# Allegro board PSU-C1.brd (continued)
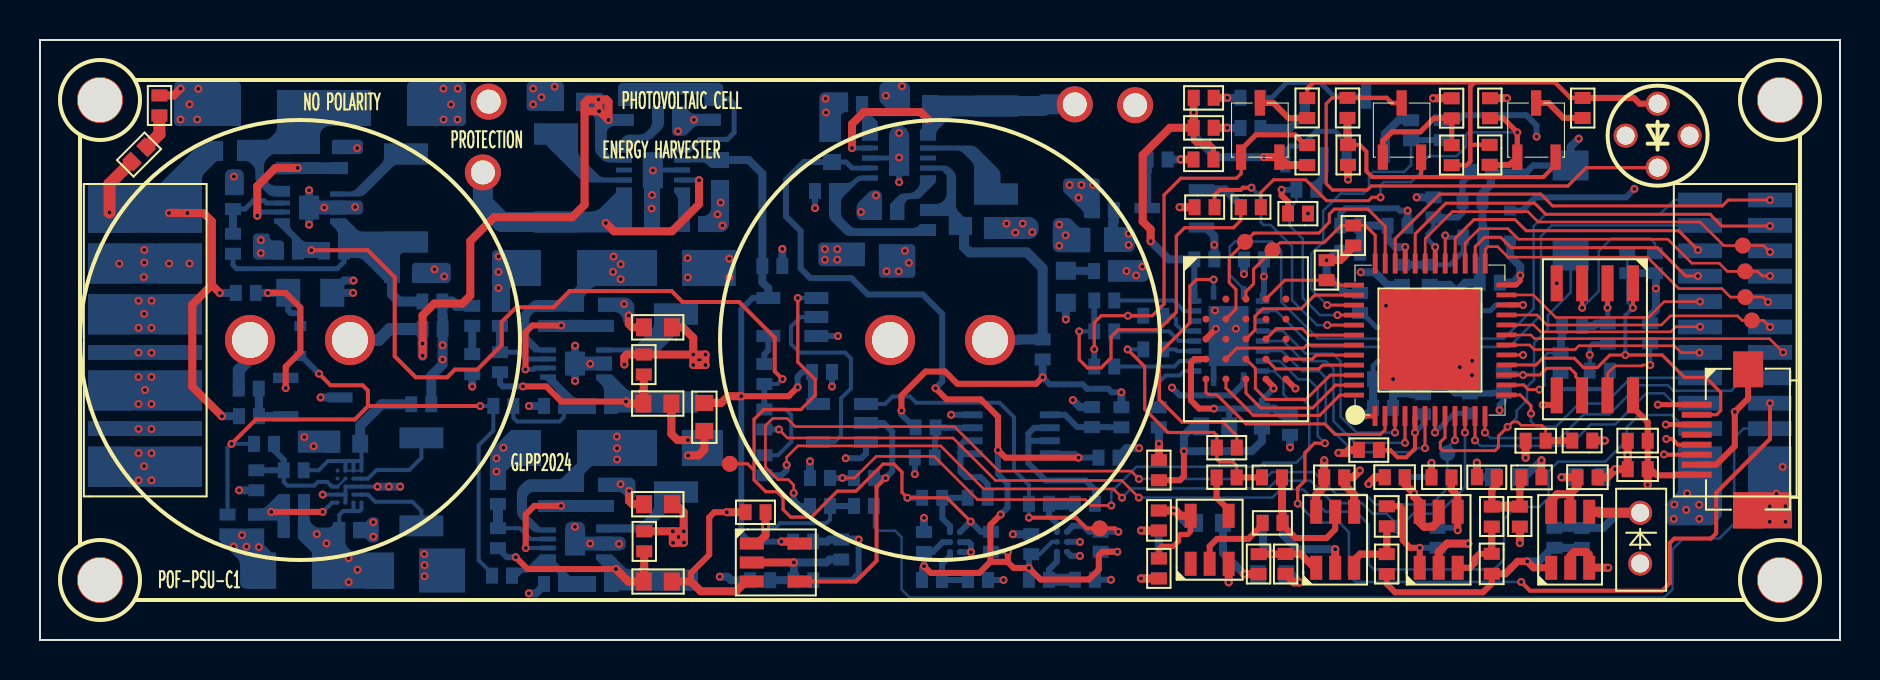
[diagram p0: board, top side]
## Nets (continued)
P3333_PRE: C34.1 C35.1 C42.1 J3.5 J3.6 J3.19 J3.20 L7.1 R59.2 U14.8(VOUT)
P5050: J3.1 J3.2 J3.23 J3.24 L2.2 R6.2 R54.2 R81.2 R115.2
PSU_UART_RX: U2.6 U13.7
PSU_UART_TX: U2.4 U13.6
RAM_ADQ0: U1.D3 U2.46
RAM_ADQ1: U1.D2 U2.43
RAM_ADQ2: U1.C4 U2.42
RAM_ADQ3: U1.D4 U2.45
RAM_ADQ4: U1.D5 U2.44
RAM_ADQ5: U1.E3 U2.47
RAM_ADQ6: U1.E2 U2.48
RAM_ADQ7: U1.E1 U2.2
RAM_CE: R14.1 TP7.1(TP) U1.A3 U2.36
RAM_CLK: TP6.1(TP) U1.B2 U2.35
RAM_DQS: U1.C3 U2.38
RAM_RST: R15.1 U1.A4 U2.37
RFU: U1.C2
SIG_ALIVE: R91.1 R92.2 U13.9
SPI1_MISO: J2.5 TP11.1(TP) U2.25
SPI1_MOSI: J2.3 TP9.1(TP) U2.31
SPI1_NSS: J2.6 TP12.1(TP) U2.21
SPI1_SCK: J2.4 TP10.1(TP) U2.27
SPI2_MISO: J2.20 U2.23
SPI2_MOSI: J2.22 U2.28
SPI2_NSS: J2.19 U2.20
SPI2_SCK: J2.21 U2.26
SPI_VCCIO1: C40.1 C41.1 FB4.2 U2.22
UV_SHDN: R97.2 R110.1 TP5.1(TP) U12.1 U19.C2
VCAP: C72.1 C73.1 R16.1 R27.1 R56.2 R61.1 R63.1 R68.2 R77.1 R83.2 R86.2
VCAP1: C1.1 C15.1 R35.1 R63.2 U10.9(VOUT)
VCAP2: C2.1 C29.1 R46.1 R68.1 U9.9(VOUT)
N478267: C26.1 L3.1 TP4.1(TP) U10.4 U10.6
N478271: L3.2 U10.7
N478345: R34.1 R35.2 U10.1
N478369: R47.1 U10.5
N478385: C19.1 U10.10
N485107: C16.1 L1.1 TP1.1(TP) U9.4 U9.6
N485115: L1.2 U9.7
N485373: R43.1 R46.2 U9.1
N485445: R33.1 U9.5
N485483: C25.1 U9.10
N770737: C39.2 D7.2 Q7.2(S) R54.1
N781893: C14.1 L13.1 R27.2 R108.2 R116.2 U20.4
N781901: L13.2 U20.1
N782069: R94.2 R108.1 U20.7
N782145: R111.2 R116.1 R117.2 U20.5
N782153: C54.2 R95.1 R96.2 U20.6
N796763: C55.2 R103.2 R105.1 U17.D5
N813698: C36.1 L4.1 R48.2 R49.2 R56.1 U11.4
N813706: L4.2 U11.1
N813852: C17.1 C18.1 C21.1 L2.1 R40.2 U11.8(VOUT)
N813884: R44.2 R48.1 U11.7
N813992: R49.1 R50.2 R73.1 R85.2 R89.2 U11.5
N814000: C21.2 R39.2 R40.1 U11.6
N816273: C3.1 L10.1 R16.2 R69.2 R78.2 U14.4
N816281: L10.2 U14.1
N816459: R60.2 R69.1 U14.7
N816583: R78.1 R79.2 R80.2 U14.5
N816591: C42.2 R58.2 R59.1 U14.6
N821854: R86.1 R88.2 U16.3
N821870: R98.2 U16.1 U16.2
N822032: R83.1 R84.2 U16.5
N822044: R100.2 U16.6 U16.7
N823149: C66.2 R113.2 U19.A1(VCC)
N823315: R97.1 R98.1 U19.C1
N824564: C65.2 R112.2 U18.A1(VCC)
N824724: R99.1 R100.1 U18.C1
N834143: D8.2 R61.2
N943794: C13.2 C58.1 R30.1 R106.1 U7.1
N943802: C58.2 PD1.1 R106.2 U7.4
N950023: C13.1 R24.1 U6.3
N950397: C9.1 R22.1 R24.2 R25.2
N953049: R21.2 R107.2 U6.4
N953845: C11.1 R107.1 U6.1
N953940: C53.2 R21.1
N955969: R20.2 R26.1 U5.5
N957540: C11.2 R30.2 U5.3
N961187: C56.2 R28.2 R29.1 U5.1
N964994: R19.1 U4.4(Y)
N979764: U12.2 U15.4(Y)
N1004009: L12.2 U17.A4 U17.B4
N1004026: L12.1 U17.A2 U17.B2
N1004475: C49.1 R77.2 R90.2 U17.A1 U17.B1 U17.C1
N1017996: R87.2 R90.1 R93.1 U17.C2 U17.D3
N1037075: D2.2 R6.1
N1039072: R91.2 U8.4(Y) U15.2
N1041065: D9.2 R31.1
N1042429: Q7.1 R75.2 R81.1
N1120153: Q1.3 R1.1
N1120157: LD1.1 R1.2 R4.1 R9.1 R10.1
N1120293: LD1.2 Q2.3 R2.1
N1120309: Q3.1 R3.1 R9.2 R12.2
N1120313: Q3.3 R4.2
N1120345: Q2.1 R5.1 R10.2
N1120473: Q2.2(E) Q3.2(E) R2.2 R8.1
N1122138: R26.2 U4.2
N1125946: C45.1 FB1.1 U2.5
N1126010: C22.1 C24.1 FB2.1 U2.30
N1126482: C30.1 C37.1 R53.1 U2.29
N1126654: C38.1 D6.1(K) U2.24(VPP_2V5)
N1128601: C47.1 C48.1 L11.1 U1.D1 U1.E4
N1140972: C62.2 R114.2 R115.1 U8.2
N1147788: D4.1(CATHODE) R41.2
N1147792: D3.1(CATHODE) R36.2
N1147796: D1.1(CATHODE) R32.2
N1147848: Q6.3 R41.1
N1147852: Q5.3 R36.1
N1147856: Q4.3 R32.1
N1147930: Q6.1 R45.2
N1147938: Q5.1 R42.2
N1147946: Q4.1 R38.2
N1161020: R23.1 R101.1 R102.1 U8.1
N1166384: D5.2 R82.1
N1166403: R82.2 U13.12
N1222301: R55.1 U13.18
N1222674: R64.1 U13.15
N1238224: R18.1 U13.20
N1238285: R67.1 U13.14
N1238401: R57.1 U13.16
N1243370: R71.1 U13.13

Pads without a net: J1 4; LD1 3 4; U4 1; U9 8; U10 8; U13 4 17; U17 D1 D2

## Via types
v1: diameter 0.4, hole 0.2, TOP to BOTTOM, 380 vias

## Routing (per net, layer and track width the routed paths; a pad name or vN(x,y) marks a point on that pad's centre or on a via; arc(x,y) is an arc through that point)
GND: length 145.4
  TOP w0.3: J1.7 83.81,8.77 84.74,9.7 v1(84.74,11.41) 85.41,12.07 J1.9 ; D5.1 56.99,7.99 57.19,8.19 v1(57.19,9.44) ; v1(58.79,15.56) 58.3,15.06 U1.C1 ; v1(34.34,6.39) 33.72,6.39 33.46,6.13 33.46,4.26 32.55,3.35 32.55,2.93 ; U1.E5 v1(62.77,12.57)
  TOP w0.4: R8.2 v1(65.4,23.02) ; v1(29.45,7.46) 29.45,6.95 29.62,6.79 C73.2 ; C71.2 33.22,9.52 32.93,9.23 v1(32.4,9.23) ; v1(78.41,3.61) U7.3 77.43,3.64 77.43,4.28 77.31,4.4 76.72,4.4 76.51,4.19 U7.2 ; v1(7.03,27.57) 6.68,27.23 D2.1 ; C10.1 78.36,8.14 v1(78.76,8.54) C6.2 v1(79.39,9.27) C5.2 ; C4.1 v1(74.28,9.11) ; C72.2 29.61,15.63 29.44,15.8 v1(29.44,16.22) ; U5.2 v1(64.76,4.54) ; R3.2 v1(73.34,27.09) ; C8.2 66.75,8.14 66.43,7.82 v1(66.43,7.8) ; v1(64.21,8.99) C7.1 64.21,7.66 63.81,7.26 U5.6 ; U6.2 69.94,4.4 70.36,4.82 v1(71.42,4.82) ; U8.3 35.29,2.93 34.8,2.44 33.04,2.44 32.55,2.93 C14.2 ; C12.1 v1(55.06,5.48) ; 31.57,11.82 31.57,10.3 31.87,10 v1(32.4,10) ; R23.2 v1(34.34,6.39) ; C9.2 v1(75.07,8.99) ; R28.1 v1(60.2,3.29) ; R25.1 v1(73.99,4.85) ; R5.2 v1(69.65,27.09) ; U4.3 v1(59.43,2.89)
  BOTTOM w0.15: v1(30.64,23.48) 30.67,23.5
  BOTTOM w0.2: U17.C4 U17.D4 v1(14.13,7.27) ; U17.C4 U17.C5 ; U17.C4 U17.C3 U17.B3 U17.A3 v1(16.87,7.67)
  BOTTOM w0.25: v1(65.4,23.02) 65.4,23.41 65.33,23.48 Q4.2 65.33,24.87 64.77,25.43 63.8,25.43 63.07,24.7 62.52,24.7 62.27,24.45 62.27,24.01
  BOTTOM w0.28: U13.11 58.68,14.45 U13.EPAD
  BOTTOM w0.3: U15.3 41.3,9.32 41.07,9.09 v1(40.28,9.09) ; C66.1 v1(48.17,3) ; v1(43.74,8.29) R88.1 ; v1(40.93,5.02) 40.93,3.33 40.6,2.99 R114.1 ; C27.2 65.01,21.31 65.28,21.58 67.88,21.58 67.99,21.47 v1(68.38,21.47) ; v1(42.96,24.12) v1(42.96,22.89) ; 46.63,11.26 v1(45.55,11.26) ; U18.A2 51.55,4.2 v1(52,4.2) ; R43.2 v1(38.75,21.59) ; C43.2 v1(39.6,12.67) ; U19.A2 v1(46.55,4.39) 46.55,4.77 46.55,4.77 46.55,4.79 46.44,4.89 U19.B2 ; C65.1 v1(53.55,3.01) ; U12.3 v1(39.9,15.2) ; U18.B2 v1(52,4.91)
  BOTTOM w0.32: C22.2 74.35,23.41 74.66,23.72 SW1.2
  BOTTOM w0.4: v1(16.87,7.67) v1(17.44,7.67) v1(18.01,7.67) ; R92.1 v1(38.5,8.93) ; R93.2 v1(9.96,7.49) ; v1(64.76,4.54) 62.88,4.54 62.15,5.27 C56.1 ; R84.1 51.99,11.65 v1(51.64,12) ; C33.2 v1(37.12,19.55) ; v1(15.66,17.36) C39.1 14.61,17.39 15.2,17.97 v1(15.68,17.97) ; C52.2 53.92,9.19 54.33,9.59 v1(54.95,9.59) ; v1(40.93,5.02) C62.1 39.47,5.02 39.37,4.92 C59.2 ; C28.2 v1(68.38,21.47) ; 67.65,12.33 v1(67.65,13.05) ; 67.65,12.33 68.52,12.33 68.57,12.29 C45.2 ; 67.65,12.33 C46.2 ; C61.1 v1(48.64,5.29) ; C69.2 60.21,3.29 v1(60.2,3.29) 59.15,4.35 59.15,5.85 ; C41.2 67.55,16.47 v1(67.3,16.72) ; v1(75.07,8.99) 74.24,8.15 C67.2 ; C47.2 61.09,9.94 60.59,9.44 v1(57.19,9.44) 57.19,10.23 57.65,10.68 C48.2 ; R79.1 v1(24.45,11.7) ; C53.1 66.78,8.15 v1(66.43,7.8) ; C22.2 72.55,22.77 72.12,22.35 C24.2 72.12,20.74 72.16,20.7 C30.2 72.16,19.11 71.99,18.94 C38.2 71.26,17.87 70.82,17.43 ; D9.1 55.94,5.25 55.71,5.48 v1(55.06,5.48) ; C70.2 78.37,8.15 v1(78.76,8.54) ; v1(24.44,2.33) 24.8,2.33 25.2,2.73 R117.1 ; C40.2 70.82,17.43 ; 70.82,17.43 70.48,17.76 C37.2 ; SW1.2 76.53,24.66 v1(76.94,25.06) ; Q7.3 v1(14.03,12.13) ; C31.1 v1(60.2,18.3) ; v1(13.46,22.49) U11.9 v1(13.46,20.77) ; C32.2 v1(58.72,19.76) 58.72,20.2 58.29,20.62 Q6.2 ; v1(26.75,12.95) U14.9 v1(26.75,14.71) ; C60.1 v1(44.2,6.11) ; D8.1 v1(21.61,12.67)
  BOTTOM w0.6: R75.1 9.94,13.5 10.5,14.06 C1.2
  vias: v1(3.96,18.81) v1(4.93,14.37) v1(4.93,10.56) v1(5.21,19.5) v1(5.21,18.87) v1(5.19,18.15) v1(5.57,14.36) v1(5.57,10.55) v1(6.45,18.82) v1(7.03,26.03) v1(7.47,26.79) v1(7.48,18.82) v1(7.92,27.56) v1(7.86,26.03) v1(9.7,23.17) v1(9.68,4.68) v1(10.1,5.25) v1(10.32,4.67) v1(10.94,4.64) v1(11.04,20) v1(11.04,19.35) v1(13.22,10.15) v1(13.68,9.69) v1(14.21,21.62) v1(15.76,21.65) v1(15.86,24.59) v1(16.66,5.89) v1(16.67,5.17) v1(19.21,4.3) v1(19.23,3.74) v1(19.23,3.19) v1(19.73,18.53) v1(20.17,27.57) v1(20.18,26.03) v1(20.21,18.18) v1(20.55,26.78) v1(20.89,27.57) v1(20.87,26.03) v1(22.82,9.09) v1(22.82,8.43) v1(22.93,19.17) v1(22.93,18.4) v1(22.93,17.6) v1(23.17,9.61) v1(24.66,27.57) v1(24.66,26.78) v1(25.07,27.14) v1(25.73,27.66) v1(26.75,5.66) v1(27.51,13.81) v1(27.51,4.82) v1(29.03,7.79) v1(28.95,4.8) v1(29.21,16.8) v1(30.6,22.25) v1(30.58,21.58) v1(31.9,25.44) v1(32.38,19.09) v1(32.39,18.13) v1(32.7,26.01) v1(33.88,21.28) v1(34.03,21.87) v1(34.12,20.73) v1(34.46,19.07) v1(34.46,18.13) v1(39.28,27.07) v1(39.3,26.38) v1(41.05,21.4) v1(41.8,22.23) v1(42.3,27.22) v1(42.96,25.35) v1(43.1,27.69) v1(48.33,20.82) v1(48.77,20.38) v1(49.14,20.82) v1(49.61,20.4) v1(58.75,16.48) v1(59.79,15.57) v1(70.99,13.64) v1(71.61,13.96) v1(71.6,13.24) v1(75.84,17.84) v1(86.48,6.68) v1(86.48,5.91) v1(86.82,7.31) v1(87.13,8.66) v1(87.27,6.69) v1(87.27,5.91)
P1V2: length 33.8
  TOP w0.4: v1(64.92,9.36) 65.31,9.36 65.45,9.5 FB1.2
  VCC w0.12: v1(54.33,18.45) 54.33,18.46
  VCC w0.3: v1(64.92,9.36) 64.92,13.34 63.42,14.84 63.42,17.74 63.66,17.97 ; 63.66,17.97 62.45,19.18 56.51,19.18 56,18.67 v1(55.12,18.67) ; 63.66,17.97 65.62,17.97 v1(66.04,18.39)
  VCC w0.4: v1(68.83,22.13) 69.34,21.62 69.34,21.06 68.9,20.61 67.04,20.61 66.43,20 66.43,18.78 v1(66.04,18.39) ; 54.56,18.23 v1(54.81,18.23) 55.12,18.54 v1(55.12,18.67) 54.54,18.67 54.33,18.46 54.56,18.23
  BOTTOM w0.4: R53.2 67.37,17.76 66.74,18.39 v1(66.04,18.39) ; FB2.2 v1(68.83,22.13)
P1V80: length 135.8
  TOP w0.3: U3.8 79.65,11.64 80.39,10.9 C5.1 C6.1 80.54,8.54 80.85,8.23 81.76,8.23 81.8,8.27 J1.8
  TOP w0.4: v1(64.33,18.99) 65.01,18.99 65.66,19.64 R14.2 ; R11.1 v1(56.98,21.64) ; C6.1 v1(80.39,7.76) ; R17.1 v1(78.24,9.97)
  VCC w0.3: 53.17,22.12 53.17,22.08 52.47,21.38 52.47,16.91 53.56,15.82 53.56,13.45 53.78,13.24 54.42,13.24 54.92,12.74 54.92,11.57 55.82,10.66 56.3,10.66 56.32,10.64 59.7,10.64 60.71,9.63 v1(62.5,9.63)
  VCC w0.4: 73.16,24.26 74.45,24.26 74.83,24.64 v1(74.83,25.17) ; 73.16,24.26 73.12,24.21 64.33,24.21 ; 73.16,24.26 73.21,24.21 73.21,19.55 ; 78.84,19.55 78.84,19.53 v1(80.8,17.57) ; 78.84,19.55 73.21,19.55 ; 78.84,19.55 79.69,20.4 83.27,20.4 84.05,19.62 84.05,13.75 82.98,12.67 82.98,8.97 82.58,8.57 82.17,8.57 81.78,8.18 80.81,8.18 v1(80.39,7.76) 79.28,7.76 78.9,7.38 77.51,7.38 76.98,7.92 76.98,9.53 77.42,9.97 v1(78.24,9.97) ; 53.57,22.82 53.6,22.79 56.94,22.79 56.98,22.83 ; 53.57,22.82 53.57,22.75 ; 53.57,22.82 53.57,23.04 53.17,23.44 51.59,23.44 51.48,23.32 v1(51.48,22.75) ; 64.33,24.21 63.5,25.04 60.54,25.04 58.34,22.83 56.98,22.83 ; 64.33,24.21 64.33,21.3 ; v1(63.4,21.32) 64.31,21.32 64.33,21.3 ; v1(64.33,18.99) 64.33,21.3 ; 73.21,19.55 72.61,18.94 72.61,11.86 v1(72.98,11.49) ; v1(52.07,22.75) v1(52.66,22.75) 53.57,22.75 ; 53.57,22.75 53.57,22.52 53.17,22.12 v1(51.93,22.12) ; v1(56.98,21.64) 56.98,22.83
  BOTTOM w0.3: R37.1 70.9,26 71.14,26.24 74.31,26.24 74.83,25.73 v1(74.83,25.17) ; v1(72.98,11.49) 72.98,11.75 73.19,11.96 R74.2
  BOTTOM w0.32: R74.2 72.6,12.35 72.58,12.33 R76.1 70.75,12.33 70.01,13.07 FB5.2 ; v1(64.33,18.99) 64.7,19.36 FB3.2
  BOTTOM w0.4: FB4.1 65.27,17.35 64.33,18.3 v1(64.33,18.99) ; L11.2 v1(62.5,9.63) ; R65.2 80.51,16.21 80.8,16.49 v1(80.8,17.57) 80.8,18.3 R51.2 R52.2
VCCIO_0: length 5.3
  TOP w0.24: U2.33 v1(68.26,19.65)
  BOTTOM w0.4: FB3.1 66.01,20.14 66.01,20.14 C27.1 66.88,20.73 66.89,20.71 C28.1 67.38,20.06 67.79,19.65 v1(68.26,19.65)
VCCIO_2: length 6.6
  TOP w0.24: 66.75,11.2 v1(65.8,11.2)
  BOTTOM w0.25: C44.1 66.65,13.7 66.89,13.94 68.17,13.94 68.46,13.65 FB5.1
  BOTTOM w0.4: v1(65.8,11.2) 66.25,11.2 C46.1 C44.1
1ST_EN: length 1.5
  BOTTOM w0.3: R73.2 36.22,14.29 36.42,14.49 U12.4
2ND_EN: length 32.6
  TOP w0.2: v1(9.58,9.81) 10.8,11.03 15.74,11.03 16.4,11.68 ; 16.4,11.68 16.4,12.47 16.13,12.74 14.53,12.74 v1(13.95,13.31) ; 16.4,11.68 16.41,11.7 v1(22.01,11.7)
  BOTTOM w0.2: v1(22.01,11.7) R80.1 22.67,10.47 21.93,9.74 21.93,3.99 22.6,3.32 R111.1 ; R104.2 9.38,9.61 v1(9.58,9.81) R87.1
  BOTTOM w0.3: v1(13.95,13.31) 13.06,14.2 D7.1
CHG_FULL: length 20.9
  TOP w0.2: v1(53.92,5.41) 53.75,5.58 TP8.1 52.33,5.58 51.79,6.12 v1(49.45,6.12)
  BOTTOM w0.2: U15.1 42.25,11.8 42.63,12.18 43.16,12.18 43.16,12.18 43.49,12.18 43.81,11.86 47.98,11.86 48.7,11.14 48.7,8.5 49.45,7.75 R99.2 v1(49.45,6.12)
  BOTTOM w0.3: U18.C2 51.65,5.71 52.16,5.71 52.45,5.41 R109.1 v1(53.92,5.41)
DONE2_LED: length 3
  TOP w0.15: 69.75,11.2 v1(69.75,10.37)
  BOTTOM w0.25: R76.2 70.71,11.33 v1(69.75,10.37)
DPU_UART_RX: length 35
  BOTTOM w0.127: U13.1 60.18,17.55 59.49,18.25 59.49,19.66 59.75,19.92 61.6,19.92 62.06,19.46 62.06,16.91 63.9,15.07 73.19,15.07 74.68,16.56 74.68,20.7 75.29,21.3 81.02,21.3 81.71,22 J2.24
DPU_UART_TX: length 27.4
  BOTTOM w0.127: U13.3 61.82,16.45 63.62,14.66 73.45,14.66 75.05,16.25 75.05,20.19 75.59,20.73 J2.23
FF2_SCK: length 15.6
  TOP w0.15: U3.6 77.11,12.84 76.78,13.16 76.78,13.31 76.51,13.58 75.32,13.58 74.99,13.25 v1(74.15,13.25) U2.15
  TOP w0.25: v1(81.29,10.77) 81.73,10.77 81.74,10.77 J1.3
  VCC w0.13: v1(74.15,13.25) 77.72,13.25 80.2,10.77 v1(81.29,10.77)
  BOTTOM w0.2: v1(74.15,13.25) 73.96,13.25 73.86,13.35 R74.1
FF2_SS: length 20.9
  TOP w0.15: v1(79.27,14.25) 78.49,14.25 77.86,13.62 77.18,13.62 76.71,14.09 75.14,14.09 74.8,13.75 U2.16
  TOP w0.16: v1(79.27,14.25) 81.11,14.25 82.22,13.13 83.28,13.13 84.03,12.39 84.03,11.47 83.83,11.27 J1.2
  TOP w0.2: v1(79.64,16.61) 79.65,16.61 U3.1
  BOTTOM w0.127: R52.1 79.36,16.89 v1(79.64,16.61)
  BOTTOM w0.2: v1(79.64,16.61) 79.27,16.23 v1(79.27,14.25)
FIBER_RX: length 12.4
  TOP w0.16: R19.2 59.83,8.72 59.64,8.91 58.97,8.91 58.84,9.03 R18.2 58.84,10.23 58.69,10.38 56.4,10.38 55.24,11.54 55.24,13.67 v1(54.38,14.53)
  TOP w0.3: R20.1 R19.2
  BOTTOM w0.2: R67.2 v1(54.38,14.53)
FIBER_TX: length 18.5
  TOP w0.16: v1(51.96,15.43) 51.96,14.02 52.37,13.61 53.05,13.61 53.55,14.11 53.55,15.15 53.91,15.51 55.94,15.51 56.82,16.39 56.82,20.2 57.23,20.61 59.67,20.61 60.04,20.98 R12.1
  BOTTOM w0.2: v1(51.96,15.43) R64.2
  BOTTOM w0.3: R55.2 R64.2
FL2_MISO: length 3.3
  TOP w0.25: U3.2 v1(78.38,16.61)
  BOTTOM w0.25: R66.1 78.39,16.6 v1(78.38,16.61)
  BOTTOM w0.4: R62.1 77.69,15.71 77.81,15.82 R66.1
FL2_MOSI: length 6.7
  TOP w0.3: v1(75.14,11.75) 75.71,11.75 75.84,11.88 U3.5
  BOTTOM w0.22: R70.2 76.03,12.55 ; 76.03,12.55 76.03,11.98 75.81,11.75 v1(75.14,11.75) ; 76.03,12.55 78.2,12.55 78.49,12.83 R72.2
FL2_RST: length 4.5
  TOP w0.13: v1(80.51,13.75) 80.12,13.75 80.08,13.7 78.76,13.7 78.38,13.32 U3.7
  BOTTOM w0.2: v1(80.51,13.75) R65.1
FL2_WP: length 8.1
  TOP w0.22: U3.3 v1(77.11,16.61)
  BOTTOM w0.12: R51.1 80.75,19.83 80.51,20.07 78.57,20.07 77.93,19.44 77.93,17.44 v1(77.11,16.61)
FP2_RST: length 30.5
  TOP w0.13: C4.2 75.28,10.55 75.1,10.73 74.06,10.73 73.89,10.9 73.64,10.9 73.4,10.66 v1(73.38,10.66)
  TOP w0.15: 70.25,11.2 70.25,10.12 70.02,9.89 70.02,9.59 70.14,9.47 72.75,9.47 72.92,9.64 72.92,10.2 v1(73.38,10.66)
  TOP w0.2: J1.6 81.26,9.27 81.25,9.28 v1(81.2,9.28)
  TOP w0.36: R17.2 76.13,9.97 76.12,9.96 C4.2
  VCC w0.13: 80.04,9.8 80.56,9.28 80.77,9.28 80.78,9.28 v1(81.2,9.28)
  VCC w0.15: 80.04,9.8 79.52,9.8 78.5,10.83 76.38,10.83 75.68,10.13 73.91,10.13 v1(73.38,10.66)
  BOTTOM w0.127: v1(73.38,10.66) 73.83,11.11 73.83,11.46 74.35,11.98 74.35,12.66 74.71,13.02 74.71,14.86 75.39,15.54 75.39,16.23 76.53,17.37 SW1.1
FP2_SI: length 12.7
  TOP w0.15: U2.17 v1(74.15,14.25)
  TOP w0.25: J1.1 81.34,11.77 81.34,11.77 v1(80.89,11.77)
  VCC w0.15: v1(74.15,14.25) 77.09,14.25 77.1,14.26 v1(77.49,14.26) 79.98,11.77 80.27,11.77 80.27,11.77 v1(80.89,11.77)
  BOTTOM w0.22: R66.2 77.65,14.82 77.49,14.66 v1(77.49,14.26) R72.1
FP2_SO: length 14.8
  TOP w0.15: v1(74.97,12.52) 74.42,12.52 74.19,12.75 U2.14
  TOP w0.2: v1(81.31,10.05) 81.61,10.05 81.9,9.77 J1.5
  VCC w0.15: v1(74.97,12.52) 77.56,12.52 79.81,10.27 80.39,10.27 80.61,10.05 v1(81.31,10.05)
  BOTTOM w0.13: R70.1 75.39,14.36 75.22,14.19 75.22,12.73 75.01,12.52 v1(74.97,12.52)
  BOTTOM w0.4: R70.1 76.05,14.37 76.05,15.06 76.11,15.12 R62.2
IAM_ALIVE: length 46
  TOP w0.13: v1(54.95,8.05) 54.56,8.44 47.95,8.44 45.72,10.67 37.77,10.67 37.35,11.08 36.64,11.08 36.27,10.72 36.27,8.64 36.89,8.02 37.41,8.02 37.68,7.75 v1(37.68,7.35)
  TOP w0.15: v1(70.75,9.99) 70.75,11.2
  BOTTOM w0.127: TP13.1 70.37,9.61 v1(70.75,9.99)
  BOTTOM w0.13: TP13.1 70.37,7.59 69.56,6.78 66.77,6.78 66.26,7.28 64.82,7.28 63.7,8.4 61.6,8.4 61.25,8.05 v1(54.95,8.05)
  BOTTOM w0.3: R101.2 37.98,6.7 37.68,7 v1(37.68,7.35)
IAM_ALIVE_EXT: length 56
  BOTTOM w0.127: J2.10 85.17,10.57 84.71,10.11 84.71,5.82 83.97,5.08 82.17,5.08 81.63,4.54 81.63,2.54 81.21,2.12 43.48,2.12 43.08,2.52 43.08,5.14 42.75,5.46 41.88,5.46 41.7,5.65 R102.2
IO1: length 10
  TOP w0.127: v1(82.98,14.37) 82.06,14.37 81.71,14.71 76.95,14.71 76.76,14.52 74.71,14.52 74.48,14.75 U2.18
IO2: length 11.8
  TOP w0.15: v1(74.55,11.32) 74.55,11.72 74.01,12.25 U2.13
  BOTTOM w0.13: J2.17 79.54,13.11 78.25,11.82 76.95,11.82 75.79,10.66 74.82,10.66 74.55,10.93 v1(74.55,11.32)
IO3: length 16.7
  TOP w0.15: 72.25,11.2 v1(72.25,10.37)
  BOTTOM w0.127: J2.8 85.21,13.11 84.56,12.46 81.67,12.46 81.39,12.74 79.91,12.74 78.46,11.28 77.19,11.28 76,10.1 72.53,10.1 v1(72.25,10.37)
IO4: length 13.9
  TOP w0.15: 71.75,11.2 v1(71.75,9.98)
  BOTTOM w0.127: J2.16 81.69,11.84 81.2,12.33 80.31,12.33 78.76,10.78 77.54,10.78 76.47,9.71 72.03,9.71 v1(71.75,9.98)
IO5: length 21.3
  TOP w0.15: U2.34 67.76,20.07 69.99,22.3 75.04,22.3 75.63,21.7 84.12,21.7 84.41,22 v1(86.5,22)
IO6: length 20.3
  TOP w0.15: v1(86.5,20.7) 84.09,20.7 83.5,21.29 75.29,21.29 74.73,21.84 70.3,21.84 68.76,20.31 U2.32
IO7: length 14.2
  TOP w0.127: U2.19 74.54,15.25 74.72,15.07 86.47,15.07 v1(87.16,14.38)
IO_P5V0_SHDN: length 42.8
  TOP w0.13: v1(37.33,8.75) 37.33,9.14 37.89,9.7 45.03,9.7 47.18,7.56 53.66,7.56 v1(54.1,7.12)
  TOP w0.15: 71.25,11.2 v1(71.25,10.37)
  BOTTOM w0.13: v1(54.1,7.12) 54.56,7.58 61.42,7.58 61.8,7.96 63.53,7.96 64.65,6.84 66.1,6.84 66.63,6.32 67.33,6.32 TP14.1 68.66,6.32 69.92,6.32 71.25,7.64 v1(71.25,10.37)
  BOTTOM w0.3: R89.1 37.08,8.24 37.33,8.49 v1(37.33,8.75)
IO_P5V0_SHDN_EXT: length 57
  TOP w0.13: v1(36.94,10.53) 37.37,10.1 45.65,10.1 47.78,7.98 54.09,7.98 v1(54.94,7.12)
  BOTTOM w0.127: J2.15 82.27,10.57 81.59,11.25 79.96,11.25 79.34,10.63 79.34,9.99 78.26,8.91 75.91,8.91 75.43,8.43 75.43,7.11 74.97,6.66 73.81,6.66 73.2,6.05 73.2,4.03 72.7,3.53 66.69,3.53 66.43,3.79 66.43,5.78 65.79,6.41 64.27,6.41 63.16,7.52 62.02,7.52 61.62,7.12 v1(54.94,7.12)
  BOTTOM w0.3: R85.1 v1(36.94,10.53)
LD_PWR_EN: length 11.2
  TOP w0.15: 67.75,11.2 v1(67.75,10.37)
  BOTTOM w0.13: U13.5 62.15,15.45 63.28,14.32 64.64,14.32 65.03,13.93 65.03,11.18 65.83,10.37 v1(67.75,10.37)
LD_PWR_EN_EXT: length 44.1
  TOP w0.16: v1(64.24,9.84) 63.72,9.84 63.24,9.36 63.24,7.96 62.88,7.6 v1(62.88,6.82)
  TOP w0.2: v1(86.5,11.84) 86.5,10.05 83.81,7.36 83.81,5.34 83.54,5.07 81.71,5.07 81.49,4.85 81.49,2.85 81.11,2.47 74.5,2.47 v1(74.06,2.9)
  BOTTOM w0.13: U13.8 62,13.95 62.91,13.03 63.44,13.03 63.89,12.58 63.89,10.2 v1(64.24,9.84) ; v1(74.06,2.9) 65.79,2.9 65.44,3.25 65.44,5.4 64.97,5.87 63.83,5.87 v1(62.88,6.82)
LDO22-1: length 33.3
  TOP w0.3: v1(35.06,12.19) 37.43,12.19 v1(37.88,12.64)
  TOP w0.4: C71.1 34.06,11.85 34.4,12.19 v1(35.06,12.19) ; U8.5 37.9,4.92 v1(37.07,4.92)
  BOTTOM w0.3: U12.5 35.63,17.1 35.06,16.53 v1(35.06,12.19) 35.06,5.33 35.48,4.92 v1(37.07,4.92) C59.1 ; C43.1 38.11,13.4 37.88,13.17 v1(37.88,12.64)
  BOTTOM w0.4: C23.1 35.43,24 36.12,23.32 C33.1 36.12,17.89 36.42,17.59 U12.5 ; U15.5 38.6,12.1 C43.1
LDO22-2: length 58.9
  TOP w0.3: v1(48.39,4.41) 48.39,3.93 48.38,3.91 ; 48.38,3.91 48.68,3.6 v1(49.45,3.6) 50.02,3.03 52.44,3.03 52.94,3.52 52.94,4.23 53.13,4.41 v1(53.87,4.41) ; 48.38,3.91 47.52,3.91 ; 47.52,3.91 46.96,3.35 44.54,3.35 v1(44.2,3.69) ; 47.52,3.91 47.52,5.76 v1(48.04,6.28) ; v1(51.93,9.12) 48.28,9.12 v1(47.9,9.5) 47.9,11.17 47.04,12.03 45.33,12.03 v1(44.77,12.59)
  BOTTOM w0.2: C61.2 49.99,4.29 50.6,4.91 U18.B1
  BOTTOM w0.25: U9.2 40.6,23.6 40.3,23.9 C20.1
  BOTTOM w0.3: C20.1 38.19,23.9 37.3,23.01 37.3,21.18 38.03,20.45 38.03,18.58 38.51,18.1 40.57,18.1 41.39,17.28 44.14,17.28 45.11,16.3 45.11,12.93 v1(44.77,12.59) ; R110.2 v1(48.39,4.41) ; U16.8 51.73,9.31 v1(51.93,9.12) C52.1 ; R113.1 44.1,3.59 v1(44.2,3.69) C60.2 44.64,4.4 45.13,4.89 U19.B1 ; v1(48.04,6.28) 48.38,6.62 48.38,7.82 47.9,8.3 v1(47.9,9.5) ; C61.2 49.45,4.18 v1(49.45,3.6) R112.1 ; R109.2 v1(53.87,4.41)
LED0: length 15.1
  TOP w0.15: U2.39 v1(64.36,16.75)
  BOTTOM w0.13: R38.1 68.56,23.75 68.21,23.41 66.66,23.41 66.45,23.2 66.45,22.6 66.17,22.32 65.03,22.32 64.16,21.46 64.16,19.9 63.56,19.31 63.56,17.54 v1(64.36,16.75)
  BOTTOM w0.3: R37.2 69.15,25 69.14,24.99 R38.1
LED1: length 10.8
  TOP w0.15: U2.40 v1(64.87,16.25)
  TOP w0.3: v1(62.08,22.51) 62.08,22.23 62.4,21.91 R13.2
  BOTTOM w0.13: v1(64.87,16.25) 63.99,16.25 63.14,17.1 63.14,20.06 62.48,20.72 62.48,21.58 62.82,21.92 R42.1
  BOTTOM w0.3: R42.1 v1(62.08,22.51)
LED2: length 12.9
  TOP w0.15: U2.41 v1(64.36,15.75)
  TOP w0.2: v1(60.57,22.62) 60.15,22.62 60.03,22.5 59,22.5 58.73,22.23 R11.2
  BOTTOM w0.13: R45.1 61.05,20.88 61.17,20.75 61.54,20.75 62.6,19.68 62.6,16.99 63.85,15.75 v1(64.36,15.75)
  BOTTOM w0.2: v1(60.57,22.62) 61.05,22.14 R45.1
MOS_PWR_EN: length 21.6
  TOP w0.16: Q1.1 60.05,23.32 59.82,23.09 57.04,23.09 56.2,22.25 56.2,16.8 55.61,16.21 v1(54.4,16.21) 53.06,16.21 52.71,15.87 v1(52.71,14.54)
  TOP w0.25: R7.2 63.26,24.75 62.75,25.26 60.79,25.26 60.05,24.52 Q1.1
  BOTTOM w0.2: R57.2 v1(54.4,16.21)
  BOTTOM w0.3: R71.2 v1(52.71,14.54)
P1012: length 1.4
  BOTTOM w0.4: L9.2 52.21,18.46 52.22,18.45 L8.1
P1012_PRE: length 77.6
  VCC w0.1: 14.84,3.51 14.84,3.51
  VCC w0.4: 16.68,3.51 18.26,5.1 21.85,5.1 24.68,7.92 26.9,7.92 28.2,6.62 29.71,6.62 30.29,6.04 30.29,3.9 30.69,3.5 32.29,3.5 33.13,4.34 35.17,4.34 36.61,2.9 40.92,2.9 43,4.98 45.02,4.98 45.42,5.38 45.42,6.7 46.68,7.96 49.96,7.96 50.76,8.75 50.76,12.57 50.92,12.73 50.92,12.79 50.93,12.81 50.93,13.47 50.92,13.48 50.92,15.66 v1(51.29,16.03) ; 16.68,3.51 16.06,2.89 v1(15.43,2.89) 14.84,3.48 14.84,3.51 8.96,3.51 7.87,4.61 7.87,7.84 7.02,8.69 6.23,8.69 ; 16.68,3.51 16.09,4.1 v1(15.43,4.1) 15.16,3.83 15.16,3.83 14.84,3.51 15.5,3.51 15.5,3.51 v1(15.88,3.51) 16.68,3.51 ; 6.23,8.69 6.23,8.64 v1(5.57,7.99) v1(4.93,7.99) ; 6.23,8.69 v1(5.57,9.34) v1(4.93,9.34) ; 6.23,8.69 v1(5.2,8.69)
  BOTTOM w0.2: U17.A5 16.07,6.54 15.98,6.45 15.67,6.45 ; 15.67,6.45 15.16,6.45 14.96,6.25 C57.1 ; 15.67,6.45 U17.B5
  BOTTOM w0.4: v1(51.29,16.03) L9.1
  vias: v1(13.84,5.3) v1(14.32,4.83)
P1818: length 25.4
  VCC w0.4: 53.64,20.04 53.93,19.75 v1(54.43,19.75) ; 53.64,20.04 53.4,19.8 53.4,17.98 54.01,17.37 55.46,17.37 ; 53.64,20.04 53.91,20.32 v1(54.43,20.32) ; 55.46,17.37 60.39,17.37 v1(61.2,18.18) ; 55.46,17.37 55.46,13.75 v1(56.6,12.62)
  BOTTOM w0.3: C31.2 v1(61.2,18.18) 61.2,17.34 61.13,17.27 U13.2 ; v1(56.6,12.62) 56.99,12.23 59.57,12.23 60.18,12.84 U13.10
  BOTTOM w0.5: L6.2 53.66,20.88 53.69,20.91 L5.1
P1818_PRE: length 68.9
  VCC w0.3: v1(51.28,20.23) 51.64,19.88 51.64,19.4 50.97,18.73 ; 29.99,9.59 29.41,10.17 v1(28.84,10.17) ; 29.99,9.59 29.43,9.03 v1(28.85,9.03) ; 29.99,9.59 v1(28.85,9.59) ; v1(50.96,20.77) 50.28,20.09 50.28,19.42 50.97,18.73 ; 50.97,18.73 50.97,19.33 50.96,19.34 v1(50.96,19.71)
  VCC w0.4: 6.22,12.5 6.22,12.45 v1(5.57,11.8) v1(4.93,11.8) ; 6.22,12.5 v1(5.25,12.5) ; 6.22,12.5 v1(5.57,13.15) v1(4.93,13.15) ; 6.22,12.5 10.59,12.5 11.91,11.19 15.79,11.19 17.08,9.9 21.41,9.9 22.11,10.6 24.97,10.6 25.99,9.59 27.8,9.59 ; 27.8,9.59 28.38,10.17 v1(28.84,10.17) ; 27.8,9.59 v1(28.85,9.59) ; 27.8,9.59 28.36,9.03 v1(28.85,9.03) ; 50.97,18.73 50.97,17.96 50.36,17.36 40.84,17.36 39.78,16.29 31.94,16.29 31.06,15.41 31.06,10.07 30.58,9.59 29.99,9.59
P3333: length 167.4
  TOP w0.25: R31.2 55.95,4.56 56.07,4.69 56.67,4.69 56.93,4.95 56.93,5.18 57.03,5.28 57.37,5.28 57.38,5.27 57.53,5.43 U4.5
  TOP w0.26: D4.2 58.67,24.61 58.45,24.83 57.81,24.83 57.68,24.96 D3.2
  TOP w0.4: v1(62.98,2.88) 62.7,2.88 R29.2 ; 76.51,7.31 76.49,7.29 75.86,7.29 75.56,6.99 U7.6 ; 76.51,7.31 U7.5 ; 76.51,7.31 76.88,7.68 C10.2 v1(76.07,8.14) ; R22.2 v1(71.84,8.87) ; v1(55.53,19.94) 55.53,20.53 55.13,20.93 55.13,24.25 56.5,25.61 D3.2 v1(57.68,26.37) D1.2 ; v1(61.2,24.14) Q1.2 62.36,23.75 R7.1 ; U4.5 57.05,6.21 56.78,6.48 v1(56.68,6.48) C12.2 ; U5.4 65.71,7.27 65.21,7.77 C7.2 65.66,8.14 v1(65.99,8.47) ; U6.5 69.94,5.96 69.64,5.66 69.2,5.66 68.99,5.88 U6.6 68.99,6.89 68.7,7.17 v1(68.7,7.34) 68.23,7.8 C8.1
  VCC w0.4: 70.58,7.59 71.87,7.59 ; 70.58,7.59 70.26,7.91 68.75,7.91 68.7,7.86 ; 70.58,7.59 70.58,7.06 69.71,6.2 64.29,6.2 63.65,5.55 ; 71.87,7.59 72.83,7.59 73.92,6.51 76.07,6.51 ; 71.87,7.59 71.84,7.63 v1(71.84,8.87) ; v1(82.36,7.33) 82.36,6.93 82.31,6.88 v1(82.31,6.5) ; v1(82.31,6.5) 82.75,6.06 v1(82.96,6.06) ; v1(82.31,6.5) 82.04,6.78 v1(81.71,6.78) ; v1(82.31,6.5) 81.86,6.06 v1(81.69,6.06) 80.83,5.2 77.38,5.2 76.07,6.51 ; v1(82.31,6.5) 82.7,6.5 v1(82.96,6.76) 85.7,9.51 85.7,13.94 85.4,14.25 85.4,20.23 83.85,21.78 79.72,21.78 ; 57.82,25.47 57.68,25.6 v1(57.68,26.37) ; 57.82,25.47 58.72,26.37 75.34,26.37 76.01,25.7 76.01,23.45 77.73,21.73 79.68,21.73 79.72,21.78 ; 57.82,25.47 57.03,24.68 48.31,24.68 46.19,22.56 46.19,19.78 45.26,18.86 44.77,18.86 ; 44.77,18.86 44.35,18.44 v1(42.93,18.44) v1(42.33,18.44) ; 44.77,18.86 44.16,19.46 v1(43.24,19.46) ; 44.77,18.86 v1(43.44,18.86) ; 79.72,21.78 v1(79.72,22.56) ; v1(56.68,6.48) 58.01,6.48 58.93,5.55 63.65,5.55 ; 63.65,5.55 62.98,4.88 v1(62.98,2.88) ; 76.07,6.51 v1(76.07,8.14) ; v1(65.99,8.47) 66.38,8.86 67.71,8.86 68.7,7.86 ; 68.7,7.86 v1(68.7,7.34)
  BOTTOM w0.3: D6.2 74.11,21.47 74.77,22.13 79.3,22.13 v1(79.72,22.56) ; C32.1 57.72,17.29 57.73,17.27 U13.19
  BOTTOM w0.4: v1(61.2,24.14) 58.77,24.14 57.68,25.22 v1(57.68,26.37) ; v1(55.53,19.94) 56.44,19.03 C32.1 ; C68.1 57.3,5.85 v1(56.68,6.48) ; v1(62.98,2.88) 62.57,3.29 C69.1 ; C70.1 76.09,8.15 v1(76.07,8.14) ; v1(71.84,8.87) 71.84,8.36 72.05,8.15 C67.1
P3333_PRE: length 55.3
  VCC w0.4: v1(4.93,15.61) v1(5.57,15.61) 6.08,15.61 6.78,16.31 ; 39.9,20.56 40.21,20.56 40.71,20.05 40.71,19.49 40.24,19.02 v1(39.86,19.02) ; 39.9,20.56 39.9,19.57 v1(39.87,19.55) ; 39.9,20.56 39.21,20.56 ; 27.8,18.41 v1(28.65,18.41) 29.03,18.79 v1(29.04,18.79) 29.9,19.65 ; 27.8,18.41 27.74,18.35 ; 27.8,18.41 28.57,19.17 v1(28.68,19.17) 29.16,19.65 29.9,19.65 ; 27.74,18.35 25.83,20.26 16.32,20.26 14.58,18.52 8.99,18.52 6.78,16.31 ; 27.74,18.35 28.25,17.83 28.82,17.83 v1(29.03,18.04) 29.93,18.94 29.93,19.62 29.9,19.65 ; v1(5.21,16.31) 6.78,16.31 ; 6.78,16.31 6.12,16.96 v1(5.57,16.96) v1(4.93,16.96) ; v1(39.24,19.55) 39.24,20.52 39.21,20.56 ; 38.38,20.56 38.38,19.41 38.78,19.02 v1(39.24,19.02) ; 38.38,20.56 39.21,20.56 ; 38.38,20.56 35.9,20.56 35.4,20.06 30.3,20.06 29.9,19.65
P5050: length 68.5
  TOP w0.4: v1(9.1,11.19) 7.61,12.67 7.61,16.77 8.59,17.75 ; v1(6.45,21.36) 6.99,21.36 7,21.35 v1(7.38,21.35) 8.18,21.35 8.59,20.93 8.59,17.75 ; 8.59,17.75 v1(8.99,17.35)
  TOP w0.6: R6.2 3.47,22.8 v1(3.47,21.38)
  VCC w0.2: v1(3.47,21.38) 3.05,20.95
  VCC w0.3: 3.05,20.95 2.69,20.6 2.69,7.68 8.22,2.15 21.91,2.15 22.92,3.16 26.32,3.16 26.98,2.5 33.32,2.5 v1(33.99,3.17)
  BOTTOM w0.4: R115.2 34.55,2.99 34.38,3.17 v1(33.99,3.17) ; R81.2 v1(9.1,11.19) ; R54.2 v1(8.99,17.35)
PSU_UART_RX: length 13.3
  TOP w0.15: 69.25,11.2 v1(69.25,9.59)
  BOTTOM w0.13: v1(69.25,9.59) 68.86,9.59 68.66,9.39 65.71,9.39 64.29,10.81 64.29,13.12 63.97,13.44 63.11,13.44 62.1,14.45 U13.7
PSU_UART_TX: length 12.1
  TOP w0.15: 68.25,11.2 v1(68.25,9.86)
  BOTTOM w0.13: v1(68.25,9.86) 65.76,9.86 64.67,10.95 64.67,13.56 64.3,13.94 63.17,13.94 62.16,14.95 U13.6
